# Altium PCB adafruit flora mainboard 2 -  4拼版.PcbDoc (part 1 of 2) (continued)
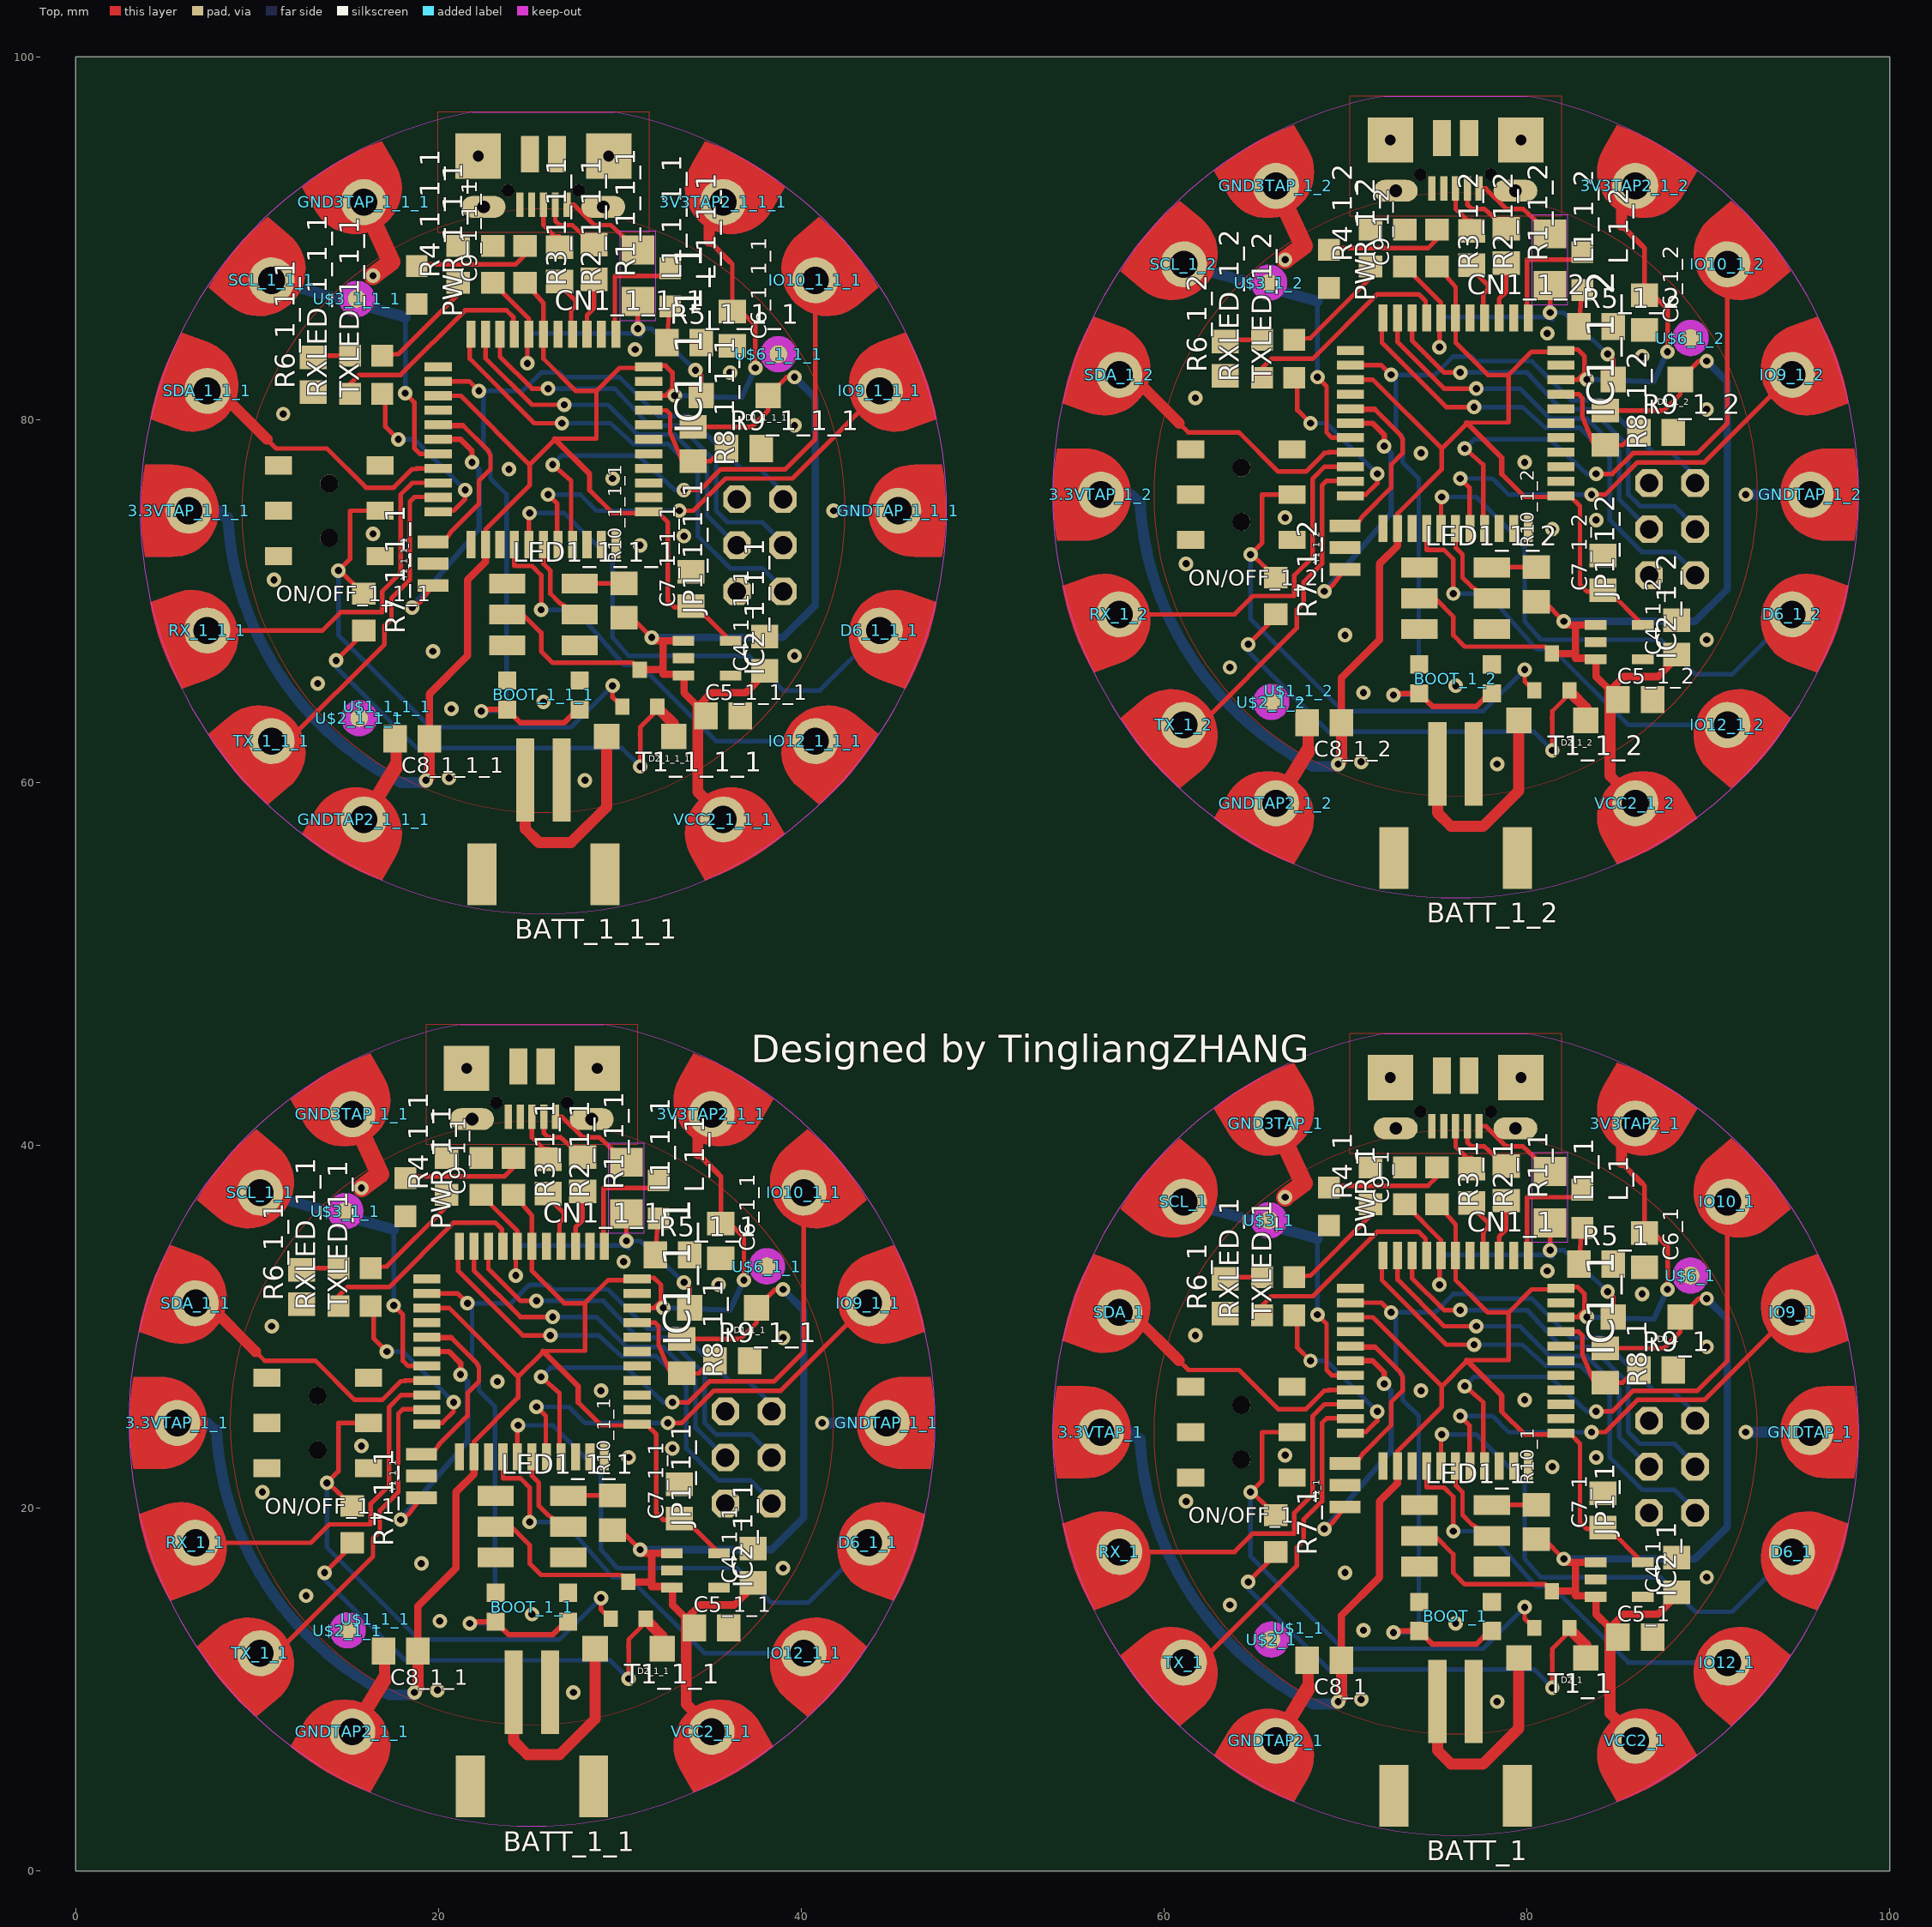
[diagram p0: Top view]
## Components (designator, comment, footprint, x,y, rotation, side; value= is the part's Value field where it differs from the comment) (continued)
L1_1_1 "500mA" R1206 30.353,37.647 r270 top (schematic designator L1)
L1_1_1_1 "500mA" R1206 30.988,87.939 r270 top (schematic designator L1)
L1_1_2 "500mA" R1206 81.28,88.828 r270 top (schematic designator L1)
L_1 "RED" CHIPLED_0805_NOOUTLINE 83.058,36.504 r180 top (schematic designator L)
L_1_1 "RED" CHIPLED_0805_NOOUTLINE 32.131,37.012 r180 top (schematic designator L)
L_1_1_1 "RED" CHIPLED_0805_NOOUTLINE 32.766,87.304 r180 top (schematic designator L)
L_1_2 "RED" CHIPLED_0805_NOOUTLINE 83.058,88.193 r180 top (schematic designator L)
LED1_1 "WS2812" WS2812 76.073,18.47 r0 top (schematic designator LED1)
LED1_1_1 "WS2812" WS2812 25.146,18.978 r0 top (schematic designator LED1)
LED1_1_1_1 "WS2812" WS2812 25.781,69.27 r0 top (schematic designator LED1)
LED1_1_2 "WS2812" WS2812 76.073,70.159 r0 top (schematic designator LED1)
ON/OFF_1 "EG1390" EG1390 64.262,24.185 r90 top (schematic designator ON/OFF)
ON/OFF_1_1 "EG1390" EG1390 13.335,24.693 r90 top (schematic designator ON/OFF)
ON/OFF_1_1_1 "EG1390" EG1390 13.97,74.985 r90 top (schematic designator ON/OFF)
ON/OFF_1_2 "EG1390" EG1390 64.262,75.874 r90 top (schematic designator ON/OFF)
PWR_1 "GREEN" CHIPLED_0805_NOOUTLINE 69.088,36.631 r180 top (schematic designator PWR)
PWR_1_1 "GREEN" CHIPLED_0805_NOOUTLINE 18.161,37.139 r180 top (schematic designator PWR)
PWR_1_1_1 "GREEN" CHIPLED_0805_NOOUTLINE 18.796,87.431 r180 top (schematic designator PWR)
PWR_1_2 "GREEN" CHIPLED_0805_NOOUTLINE 69.088,88.32 r180 top (schematic designator PWR)
R1_1 "22" 0805-NO 78.867,37.901 r270 top (schematic designator R1)
R1_1_1 "22" 0805-NO 27.94,38.409 r270 top (schematic designator R1)
R1_1_1_1 "22" 0805-NO 28.575,88.701 r270 top (schematic designator R1)
R1_1_2 "22" 0805-NO 78.867,89.59 r270 top (schematic designator R1)
R2_1 "22" 0805-NO 76.962,37.774 r270 top (schematic designator R2)
R2_1_1 "22" 0805-NO 26.035,38.282 r270 top (schematic designator R2)
R2_1_1_1 "22" 0805-NO 26.67,88.574 r270 top (schematic designator R2)
R2_1_2 "22" 0805-NO 76.962,89.463 r270 top (schematic designator R2)
R3_1 "1K" _0805MP 75.057,37.774 r270 top (schematic designator R3)
R3_1_1 "1K" _0805MP 24.13,38.282 r270 top (schematic designator R3)
R3_1_1_1 "1K" _0805MP 24.765,88.574 r270 top (schematic designator R3)
R3_1_2 "1K" _0805MP 75.057,89.463 r270 top (schematic designator R3)
R4_1 "1K" _0805MP 71.374,37.774 r90 top (schematic designator R4)
R4_1_1 "1K" _0805MP 20.447,38.282 r90 top (schematic designator R4)
R4_1_1_1 "1K" _0805MP 21.082,88.574 r90 top (schematic designator R4)
R4_1_2 "1K" _0805MP 71.374,89.463 r90 top (schematic designator R4)
R5_1 "1K" 0805-NO 83.82,33.456 r0 top (schematic designator R5)
R5_1_1 "1K" 0805-NO 32.893,33.964 r0 top (schematic designator R5)
R5_1_1_1 "1K" 0805-NO 33.528,84.256 r0 top (schematic designator R5)
R5_1_2 "1K" 0805-NO 83.82,85.145 r0 top (schematic designator R5)
R6_1 "1K" 0805-NO 63.373,31.678 r90 top (schematic designator R6)
R6_1_1 "1K" 0805-NO 12.446,32.186 r90 top (schematic designator R6)
R6_1_1_1 "1K" 0805-NO 13.081,82.478 r90 top (schematic designator R6)
R6_1_2 "1K" 0805-NO 63.373,83.367 r90 top (schematic designator R6)
R7_1 "10K" _0805MP 66.167,18.597 r270 top (schematic designator R7)
R7_1_1 "10K" _0805MP 15.24,19.105 r270 top (schematic designator R7)
R7_1_1_1 "10K" _0805MP 15.875,69.397 r270 top (schematic designator R7)
R7_1_2 "10K" _0805MP 66.167,70.286 r270 top (schematic designator R7)
R8_1 "150K" 0805-NO 84.328,27.868 r270 top (schematic designator R8)
R8_1_1 "150K" 0805-NO 33.401,28.376 r270 top (schematic designator R8)
R8_1_1_1 "150K" 0805-NO 34.036,78.668 r270 top (schematic designator R8)
R8_1_2 "150K" 0805-NO 84.328,79.557 r270 top (schematic designator R8)
R9_1 "10K" 0805-NO 87.122,27.614 r0 top (schematic designator R9)
R9_1_1 "10K" 0805-NO 36.195,28.122 r0 top (schematic designator R9)
R9_1_1_1 "10K" 0805-NO 36.83,78.414 r0 top (schematic designator R9)
R9_1_2 "10K" 0805-NO 87.122,79.303 r0 top (schematic designator R9)
R10_1 "2.2K" 0805-NO 80.518,19.232 r90 top (schematic designator R10)
R10_1_1 "2.2K" 0805-NO 29.591,19.74 r90 top (schematic designator R10)
R10_1_1_1 "2.2K" 0805-NO 30.226,70.032 r90 top (schematic designator R10)
R10_1_2 "2.2K" 0805-NO 80.518,70.921 r90 top (schematic designator R10)
RX_1 "" SEWINGTAP_2.0 57.531,17.581 r110 top (schematic designator RX)
RX_1_1 "" SEWINGTAP_2.0 6.604,18.089 r110 top (schematic designator RX)
RX_1_1_1 "" SEWINGTAP_2.0 7.239,68.381 r110 top (schematic designator RX)
RX_1_2 "" SEWINGTAP_2.0 57.531,69.27 r110 top (schematic designator RX)
RXLED_1 "YELLOW" CHIPLED_0805_NOOUTLINE 65.405,31.678 r0 top (schematic designator RXLED)
RXLED_1_1 "YELLOW" CHIPLED_0805_NOOUTLINE 14.478,32.186 r0 top (schematic designator RXLED)
RXLED_1_1_1 "YELLOW" CHIPLED_0805_NOOUTLINE 15.113,82.478 r0 top (schematic designator RXLED)
RXLED_1_2 "YELLOW" CHIPLED_0805_NOOUTLINE 65.405,83.367 r0 top (schematic designator RXLED)
SCL_1 "" SEWINGTAP_2.0 61.087,36.885 r50 top (schematic designator SCL)
SCL_1_1 "" SEWINGTAP_2.0 10.16,37.393 r50 top (schematic designator SCL)
SCL_1_1_1 "" SEWINGTAP_2.0 10.795,87.685 r50 top (schematic designator SCL)
SCL_1_2 "" SEWINGTAP_2.0 61.087,88.574 r50 top (schematic designator SCL)
SDA_1 "" SEWINGTAP_2.0 57.531,30.789 r70 top (schematic designator SDA)
SDA_1_1 "" SEWINGTAP_2.0 6.604,31.297 r70 top (schematic designator SDA)
SDA_1_1_1 "" SEWINGTAP_2.0 7.239,81.589 r70 top (schematic designator SDA)
SDA_1_2 "" SEWINGTAP_2.0 57.531,82.478 r70 top (schematic designator SDA)
T1_1 "DMG3415" SOT-23 81.407,14.406 r180 top (schematic designator T1)
T1_1_1 "DMG3415" SOT-23 30.48,14.914 r180 top (schematic designator T1)
T1_1_1_1 "DMG3415" SOT-23 31.115,65.206 r180 top (schematic designator T1)
T1_1_2 "DMG3415" SOT-23 81.407,66.095 r180 top (schematic designator T1)
TX_1 "" SEWINGTAP_2.0 61.087,11.485 r130 top (schematic designator TX)
TX_1_1 "" SEWINGTAP_2.0 10.16,11.993 r130 top (schematic designator TX)
TX_1_1_1 "" SEWINGTAP_2.0 10.795,62.285 r130 top (schematic designator TX)
TX_1_2 "" SEWINGTAP_2.0 61.087,63.174 r130 top (schematic designator TX)
TXLED_1 "YELLOW" CHIPLED_0805_NOOUTLINE 67.183,31.678 r0 top (schematic designator TXLED)
TXLED_1_1 "YELLOW" CHIPLED_0805_NOOUTLINE 16.256,32.186 r0 top (schematic designator TXLED)
TXLED_1_1_1 "YELLOW" CHIPLED_0805_NOOUTLINE 16.891,82.478 r0 top (schematic designator TXLED)
TXLED_1_2 "YELLOW" CHIPLED_0805_NOOUTLINE 67.183,83.367 r0 top (schematic designator TXLED)
U$1_1 "" ADAFRUIT_5MM 67.437,13.39 r0 top (schematic designator U$1)
U$1_1_1 "" ADAFRUIT_5MM 16.51,13.898 r0 top (schematic designator U$1)
U$1_1_1_1 "" ADAFRUIT_5MM 17.145,64.19 r0 top (schematic designator U$1)
U$1_1_2 "" ADAFRUIT_5MM 67.437,65.079 r0 top (schematic designator U$1)
U$2_1 "" FIDUCIAL_1MM 65.913,12.755 r0 top (schematic designator U$2)
U$2_1_1 "" FIDUCIAL_1MM 14.986,13.263 r0 top (schematic designator U$2)
U$2_1_1_1 "" FIDUCIAL_1MM 15.621,63.555 r0 top (schematic designator U$2)
U$2_1_2 "" FIDUCIAL_1MM 65.913,64.444 r0 top (schematic designator U$2)
U$3_1 "" FIDUCIAL_1MM 65.786,35.869 r0 top (schematic designator U$3)
U$3_1_1 "" FIDUCIAL_1MM 14.859,36.377 r0 top (schematic designator U$3)
U$3_1_1_1 "" FIDUCIAL_1MM 15.494,86.669 r0 top (schematic designator U$3)
U$3_1_2 "" FIDUCIAL_1MM 65.786,87.558 r0 top (schematic designator U$3)
U$4_1 "" FLORAMED 87.757,26.09 r180 bottom (schematic designator U$4)
U$4_1_1 "" FLORAMED 36.83,26.598 r180 bottom (schematic designator U$4)
U$4_1_1_1 "" FLORAMED 37.465,76.89 r180 bottom (schematic designator U$4)
U$4_1_2 "" FLORAMED 87.757,77.779 r180 bottom (schematic designator U$4)
U$5_1 "" PCBFEAT-REV-040 75.438,10.85 r180 bottom (schematic designator U$5)
U$5_1_1 "" PCBFEAT-REV-040 24.511,11.358 r180 bottom (schematic designator U$5)
U$5_1_1_1 "" PCBFEAT-REV-040 25.146,61.65 r180 bottom (schematic designator U$5)
U$5_1_2 "" PCBFEAT-REV-040 75.438,62.539 r180 bottom (schematic designator U$5)
U$6_1 "" FIDUCIAL_1MM 89.027,32.821 r0 top (schematic designator U$6)
U$6_1_1 "" FIDUCIAL_1MM 38.1,33.329 r0 top (schematic designator U$6)
U$6_1_1_1 "" FIDUCIAL_1MM 38.735,83.621 r0 top (schematic designator U$6)
U$6_1_2 "" FIDUCIAL_1MM 89.027,84.51 r0 top (schematic designator U$6)
U$7_1 "" SYMBOL_FCC_5MM 82.55,4.246 r180 bottom (schematic designator U$7)
U$7_1_1 "" SYMBOL_FCC_5MM 31.623,4.754 r180 bottom (schematic designator U$7)
U$7_1_1_1 "" SYMBOL_FCC_5MM 32.258,55.046 r180 bottom (schematic designator U$7)
U$7_1_2 "" SYMBOL_FCC_5MM 82.55,55.935 r180 bottom (schematic designator U$7)
U$8_1 "" SYMBOL_CE_5MM 74.422,4.373 r180 bottom (schematic designator U$8)
U$8_1_1 "" SYMBOL_CE_5MM 23.495,4.881 r180 bottom (schematic designator U$8)
U$8_1_1_1 "" SYMBOL_CE_5MM 24.13,55.173 r180 bottom (schematic designator U$8)
U$8_1_2 "" SYMBOL_CE_5MM 74.422,56.062 r180 bottom (schematic designator U$8)
VCC2_1 "" SEWINGTAP_2.0 85.979,7.167 r210 top (schematic designator VCC2)
VCC2_1_1 "" SEWINGTAP_2.0 35.052,7.675 r210 top (schematic designator VCC2)
VCC2_1_1_1 "" SEWINGTAP_2.0 35.687,57.967 r210 top (schematic designator VCC2)
VCC2_1_2 "" SEWINGTAP_2.0 85.979,58.856 r210 top (schematic designator VCC2)
Y1_1 "8MHz" RESONATOR-SMD 69.977,21.264 r90 top (schematic designator Y1)
Y1_1_1 "8MHz" RESONATOR-SMD 19.05,21.772 r90 top (schematic designator Y1)
Y1_1_1_1 "8MHz" RESONATOR-SMD 19.685,72.064 r90 top (schematic designator Y1)
Y1_1_2 "8MHz" RESONATOR-SMD 69.977,72.953 r90 top (schematic designator Y1)

## Footprints (in the part's own frame and the unit in brackets; to place one, negate y for a bottom-side part, rotate by r counter-clockwise, add the part's x,y. Pads: shape width x height; smd on the part's side, far side on the other; paste and mask are expansions set on the pad)
2X03 [mil] "2X03"
  oct 60x60 hole 40: 1(-100,-50) 2(-100,50) 3(0,-50) 4(0,50) 5(100,-50) 6(100,50)
  body extent -130,-80 130,80, height 150
4UCONN_20329 [mm] "4UCONN_20329"
  rect 1x2 smd: BASE@1(-0.75,-2) BASE@2(0.75,-2)
  rect 0.4x1.35 smd mask+0: D+(0,0.775) D-(-0.65,0.775) GND(1.3,0.775) ID(0.65,0.775) VBUS(-1.3,0.775)
  round 0.7 hole 0.7 unplated: MH1(-1.95,0) MH2(1.95,0)
  oval 2.416x1.208 / inner round 1.524 / far side oval 2.416x1.208 hole 0.7: SPRT@1(-3.3,0.9) SPRT@2(3.3,0.9)
  rect 2.5x2.5 / inner rect 1.524x1.524 / far side rect 2.5x2.5 hole 0.6: SPRT@3(-3.6,-1.9) SPRT@4(3.6,-1.9)
  body extent -5.05,-4.97 5.05,1.67, height 3.81
0805-NO [mm] "0805-NO"
  rect 1.3x1.5 smd: 1(-0.95,0) 2(0.95,0)
  body extent -1.6,-0.75 1.6,0.75, height 3.81
_0805MP [mil] "_0805MP"
  rect 47.24x51.18 smd: 1(-40,0) 2(40,0)
  body extent -64,-26 64,26, height 150
ADAFRUIT_5MM [mm] "ADAFRUIT_5MM"
CHIPLED_0805_NOOUTLINE [mm] "CHIPLED_0805_NOOUTLINE"
  rect 1.2x1.2 smd: A(0,-1.05) C(0,1.05)
  body extent -0.63,-1.65 0.63,1.65, height 3.81
EG1390 [mm] "EG1390"
  round 1 hole 1 unplated: MH1(1.5,0) MH2(-1.5,0)
  rect 1x1.5 smd: O1(-2.5,2.8) O2(-2.5,-2.8) P1(0,2.8) P2(0,-2.8) S1(2.5,2.8) S2(2.5,-2.8)
  body extent -3,-3.55 3,3.55, height 1.27
FIDUCIAL_1MM [mm] "FIDUCIAL_1MM"
  rrect100% 1x1 smd paste+0: 1(0,0)
  Top keep-out lines w0.5: -0.75,0 cw(c0,0) 0,0.75 ; -0.75,0 ccw(c0,0) 0,-0.75 ; -0.75,0 cw(c0,0) 0,0.75 ; -0.75,0 ccw(c0,0) 0,-0.75 ; 0,-0.75 ccw(c0,0) 0.75,0 ; 0,-0.75 ccw(c0,0) 0.75,0 ; 0,0.75 cw(c0,0) 0.75,0 ; 0,0.75 cw(c0,0) 0.75,0
  body extent -1.01,-1.01 1.01,1.01, height 3.81
FLORAMED [mm] "FLORAMED"
JST-PH-2-SMT-RA [mm] "JST-PH-2-SMT-RA"
  rect 1x4.6 smd: 1(1,-3.7) 2(-1,-3.7)
  rect 1.6x3.4 smd: NC1(-3.4,1.5) NC2(3.4,1.5)
  body extent -4.2,-6 4.2,3.2, height 3.81
KMR2 [mm] "KMR2"
  rect 1x1 smd: 1(2,0.8) 2(2,-0.8) 3(-2,0.8) 4(-2,-0.8)
  body extent -2.5,-1.3 2.5,1.3, height 1.27
PCBFEAT-REV-040 [mm] "PCBFEAT-REV-040"
R1206 [mm] "R1206"
  rect 1.6x1.803 smd: 1(-1.422,0) 2(1.422,0)
  Top keep-out lines w0.051: 2.473,-0.983 2.473,0.983 -2.473,0.983 -2.473,-0.983 2.473,-0.983
  body extent -2.5,-1.01 2.5,1.01, height 3.81
RESONATOR-SMD [mm] "RESONATOR-SMD"
  rect 0.7x1.7 smd: 1(-1.2,0) 2(0,0) 3(1.2,0)
  body extent -1.67,-0.85 1.67,0.85, height 3.81
SEWINGTAP_2.0 [mm] "SEWINGTAP_2.0"
  round 2.54 / inner round 1.524 / far side round 2.54 hole 1.5: P$1(0,0)
  Top region: 2.54,2.413 0,2.635 -2.54,2.413 -2.54,2.413 -2.54,0.889 -2.347,-0.083 -1.796,-0.907 -0.972,-1.458 0,-1.651 0,-1.651 0.972,-1.458 1.796,-0.907 2.347,-0.083 2.54,0.889 2.54,0.889 2.54,2.413
  Bottom region: 2.54,2.413 0,2.635 -2.54,2.413 -2.54,2.413 -2.54,0.889 -2.347,-0.083 -1.796,-0.907 -0.972,-1.458 0,-1.651 0,-1.651 0.972,-1.458 1.796,-0.907 2.347,-0.083 2.54,0.889 2.54,0.889 2.54,2.413
  body extent -2.54,-1.65 2.54,2.64, height 3.81
SOD-123 [mm] "SOD-123"
  rect 1.4x1.4 smd: A(1.85,0) C(-1.85,0)
  body extent -2.55,-0.81 2.55,0.81, height 3.81
SOT23-5L [mm] "SOT23-5L"
  rect 0.55x1.2 smd: 1(-0.95,-1.3) 2(0,-1.3) 3(0.95,-1.3) 4(0.95,1.3) 5(-0.95,1.3)
  body extent -1.5,-1.9 1.5,1.9, height 3.81
SOT-23 [mil] "SOT-23"
  rect 31x35 smd: 1(1,-40) 2(-37,40) 3(39,40)
  body extent -53,-58 54,58, height 150
SYMBOL_CE_5MM [mm] "SYMBOL_CE_5MM"
SYMBOL_FCC_5MM [mm] "SYMBOL_FCC_5MM"
TQFP44 [mm] "TQFP44"
  rect 1.5x0.5 smd: 1(-5.8,4) 2(-5.8,3.2) 3(-5.8,2.4) 4(-5.8,1.6) 5(-5.8,0.8) 6(-5.8,0) 7(-5.8,-0.8) 8(-5.8,-1.6) 9(-5.8,-2.4) 10(-5.8,-3.2) 11(-5.8,-4) 23(5.8,-4) 24(5.8,-3.2) 25(5.8,-2.4) 26(5.8,-1.6) 27(5.8,-0.8) 28(5.8,0) 29(5.8,0.8) 30(5.8,1.6) 31(5.8,2.4) 32(5.8,3.2) 33(5.8,4)
  rect 0.5x1.5 smd: 12(-4,-5.8) 13(-3.2,-5.8) 14(-2.4,-5.8) 15(-1.6,-5.8) 16(-0.8,-5.8) 17(0,-5.8) 18(0.8,-5.8) 19(1.6,-5.8) 20(2.4,-5.8) 21(3.2,-5.8) 22(4,-5.8) 34(4,5.8) 35(3.2,5.8) 36(2.4,5.8) 37(1.6,5.8) 38(0.8,5.8) 39(0,5.8) 40(-0.8,5.8) 41(-1.6,5.8) 42(-2.4,5.8) 43(-3.2,5.8) 44(-4,5.8)
  body extent -6.55,-6.55 6.55,6.55, height 3.81
WS2812 [mm] "WS2812"
  rect 2x1.1 smd: DI(2,0) DO(2,-1.7) LEDVDD(-2,0) NC(-2,1.7) VDD(2,1.7) VSS(-2,-1.7)
  body extent -3,-2.25 3,2.25, height 1.27

## Part data
3.3VTAP_1 3.3VTAP_1_1 3.3VTAP_1_1_1 3.3VTAP_1_2 3V3TAP2_1 3V3TAP2_1_1 3V3TAP2_1_1_1 3V3TAP2_1_2 D6_1 D6_1_1 D6_1_1_1 D6_1_2 GND3TAP_1 GND3TAP_1_1 GND3TAP_1_1_1 GND3TAP_1_2 GNDTAP2_1 GNDTAP2_1_1 GNDTAP2_1_1_1 GNDTAP2_1_2 GNDTAP_1 GNDTAP_1_1 GNDTAP_1_1_1 GNDTAP_1_2 IO9_1 IO9_1_1 IO9_1_1_1 IO9_1_2 IO10_1 IO10_1_1 IO10_1_1_1 IO10_1_2 IO12_1 IO12_1_1 IO12_1_1_1 IO12_1_2 RX_1 RX_1_1 RX_1_1_1 RX_1_2 SCL_1 SCL_1_1 SCL_1_1_1 SCL_1_2 SDA_1 SDA_1_1 SDA_1_1_1 SDA_1_2 TX_1 TX_1_1 TX_1_1_1 TX_1_2 VCC2_1 VCC2_1_1 VCC2_1_1_1 VCC2_1_2: library part SEWINGTAP_2.0, PackageName=SEWINGTAP_2.0
BATT_1 BATT_1_1 BATT_1_1_1 BATT_1_2: library part JST-PH-2-SMT-RA, PackageName=JST-PH-2-SMT-RA
BOOT_1 BOOT_1_1 BOOT_1_1_1 BOOT_1_2: library part KMR2, PackageName=KMR2
C4_1 C4_1_1 C4_1_1_1 C4_1_2 C5_1 C5_1_1 C5_1_1_1 C5_1_2 C6_1 C6_1_1 C6_1_1_1 C6_1_2 C7_1 C7_1_1 C7_1_1_1 C7_1_2 C8_1 C8_1_1 C8_1_1_1 C8_1_2 R1_1 R1_1_1 R1_1_1_1 R1_1_2 R2_1 R2_1_1 R2_1_1_1 R2_1_2 R5_1 R5_1_1 R5_1_1_1 R5_1_2 R6_1 R6_1_1 R6_1_1_1 R6_1_2 R8_1 R8_1_1 R8_1_1_1 R8_1_2 R9_1 R9_1_1 R9_1_1_1 R9_1_2 R10_1 R10_1_1 R10_1_1_1 R10_1_2: library part 0805-NO, PackageName=0805-NO
C9_1 C9_1_1 C9_1_1_1 C9_1_2 R3_1 R3_1_1 R3_1_1_1 R3_1_2 R4_1 R4_1_1 R4_1_1_1 R4_1_2 R7_1 R7_1_1 R7_1_1_1 R7_1_2: library part _0805MP, PackageName=_0805MP
CN1_1 CN1_1_1 CN1_1_1_1 CN1_1_2: library part 4UCONN_20329, PackageName=4UCONN_20329
D1_1 D1_1_1 D1_1_1_1 D1_1_2 D2_1 D2_1_1 D2_1_1_1 D2_1_2: library part SOD-123, PackageName=SOD-123
IC1_1 IC1_1_1 IC1_1_1_1 IC1_1_2: library part TQFP44, PackageName=TQFP44
IC2_1 IC2_1_1 IC2_1_1_1 IC2_1_2: library part SOT23-5L, PackageName=SOT23-5L
JP1_1 JP1_1_1 JP1_1_1_1 JP1_1_2: library part 2X03, PackageName=2X03
L1_1 L1_1_1 L1_1_1_1 L1_1_2: library part R1206, PackageName=R1206
L_1 L_1_1 L_1_1_1 L_1_2 PWR_1 PWR_1_1 PWR_1_1_1 PWR_1_2 RXLED_1 RXLED_1_1 RXLED_1_1_1 RXLED_1_2 TXLED_1 TXLED_1_1 TXLED_1_1_1 TXLED_1_2: library part CHIPLED_0805_NOOUTLINE, PackageName=CHIPLED_0805_NOOUTLINE
T1_1 T1_1_1 T1_1_1_1 T1_1_2: library part SOT-23, PackageName=SOT-23
U$1_1 U$1_1_1 U$1_1_1_1 U$1_1_2: library part ADAFRUIT_5MM, PackageName=ADAFRUIT_5MM
U$2_1 U$2_1_1 U$2_1_1_1 U$2_1_2 U$3_1 U$3_1_1 U$3_1_1_1 U$3_1_2 U$6_1 U$6_1_1 U$6_1_1_1 U$6_1_2: library part FIDUCIAL_1MM, PackageName=FIDUCIAL_1MM
U$4_1 U$4_1_1 U$4_1_1_1 U$4_1_2: library part FLORAMED, PackageName=FLORAMED
U$5_1 U$5_1_1 U$5_1_1_1 U$5_1_2: library part PCBFEAT-REV-040, PackageName=PCBFEAT-REV-040
U$7_1 U$7_1_1 U$7_1_1_1 U$7_1_2: library part SYMBOL_FCC_5MM, PackageName=SYMBOL_FCC_5MM
U$8_1 U$8_1_1 U$8_1_1_1 U$8_1_2: library part SYMBOL_CE_5MM, PackageName=SYMBOL_CE_5MM
Y1_1 Y1_1_1 Y1_1_1_1 Y1_1_2: library part RESONATOR-SMD, PackageName=RESONATOR-SMD
LED1_1 LED1_1_1 LED1_1_1_1 LED1_1_2: PackageName=WS2812
ON/OFF_1 ON/OFF_1_1 ON/OFF_1_1_1 ON/OFF_1_2: PackageName=EG1390

## Via types
v1: diameter 0.8/0.8/0.8/0.8/0.8/0.8/0.8/0.8/0.8/0.8/0.8/0.8/0.8/0.8/0.8/0.8 (per signal layer), hole 0.394, Top to Bottom, tented both sides, 188 vias

## Nets (pads, with @x,y where several pads share a name; then routed paths per layer and width w, separated by ;. In a path a pad name is that pad's centre, name@x,y a point inside that pad or via, vN(x,y) a via of type N, cw(c..) or ccw(c..) an arc to the next point about the centre after c; other vN are vias at no path point)
+3V3: 
+5V: 
A5: 
D0/RX: 
D1/TX: 
D6*: 
D7: 
GND: 
IO9*: 
IO10*: 
IO12*: 
MISO: 
MOSI: 
N$1: 
N$2: 
N$3: 
N$4: 
N$5: 
N$6: 
N$7: 
N$8: 
N$9: 
N$10: 
N$11: 
N$12: 
N$13: 
N$14: 
N$15: 
NEOPIX: 
PC6: 
PC7: 
PD0: 
PD1: 
RST: 
RXLED/SS: 
SCK: 
TXLED: 
VBUS: 
VCC: 
pads on no net: 3.3VTAP_1.P$1 3.3VTAP_1_1.P$1 3.3VTAP_1_1_1.P$1 3.3VTAP_1_2.P$1 3V3TAP2_1.P$1 3V3TAP2_1_1.P$1 3V3TAP2_1_1_1.P$1 3V3TAP2_1_2.P$1 BATT_1.1 BATT_1.2 BATT_1.NC1 BATT_1.NC2 BATT_1_1.1 BATT_1_1.2 BATT_1_1.NC1 BATT_1_1.NC2 BATT_1_1_1.1 BATT_1_1_1.2 BATT_1_1_1.NC1 BATT_1_1_1.NC2 BATT_1_2.1 BATT_1_2.2 BATT_1_2.NC1 BATT_1_2.NC2 BOOT_1.1 BOOT_1.2 BOOT_1.3 BOOT_1.4 BOOT_1_1.1 BOOT_1_1.2 BOOT_1_1.3 BOOT_1_1.4 BOOT_1_1_1.1 BOOT_1_1_1.2 BOOT_1_1_1.3 BOOT_1_1_1.4 BOOT_1_2.1 BOOT_1_2.2 BOOT_1_2.3 BOOT_1_2.4 C4_1.1 C4_1.2 C4_1_1.1 C4_1_1.2 C4_1_1_1.1 C4_1_1_1.2 C4_1_2.1 C4_1_2.2 C5_1.1 C5_1.2 C5_1_1.1 C5_1_1.2 C5_1_1_1.1 C5_1_1_1.2 C5_1_2.1 C5_1_2.2 C6_1.1 C6_1.2 C6_1_1.1 C6_1_1.2 C6_1_1_1.1 C6_1_1_1.2 C6_1_2.1 C6_1_2.2 C7_1.1 C7_1.2 C7_1_1.1 C7_1_1.2 C7_1_1_1.1 C7_1_1_1.2 C7_1_2.1 C7_1_2.2 C8_1.1 C8_1.2 C8_1_1.1 C8_1_1.2 C8_1_1_1.1 C8_1_1_1.2 C8_1_2.1 C8_1_2.2 C9_1.1 C9_1.2 C9_1_1.1 C9_1_1.2 C9_1_1_1.1 C9_1_1_1.2 C9_1_2.1 C9_1_2.2 CN1_1.BASE@1 CN1_1.BASE@2 CN1_1.D+ CN1_1.D- CN1_1.GND CN1_1.ID CN1_1.MH1 CN1_1.MH2 CN1_1.SPRT@1 CN1_1.SPRT@2 CN1_1.SPRT@3 CN1_1.SPRT@4 CN1_1.VBUS CN1_1_1.BASE@1 CN1_1_1.BASE@2 CN1_1_1.D+ CN1_1_1.D- CN1_1_1.GND CN1_1_1.ID CN1_1_1.MH1 CN1_1_1.MH2 CN1_1_1.SPRT@1 CN1_1_1.SPRT@2 CN1_1_1.SPRT@3 CN1_1_1.SPRT@4 CN1_1_1.VBUS CN1_1_1_1.BASE@1 CN1_1_1_1.BASE@2 CN1_1_1_1.D+ CN1_1_1_1.D- CN1_1_1_1.GND CN1_1_1_1.ID CN1_1_1_1.MH1 CN1_1_1_1.MH2 CN1_1_1_1.SPRT@1 CN1_1_1_1.SPRT@2 CN1_1_1_1.SPRT@3 CN1_1_1_1.SPRT@4 CN1_1_1_1.VBUS CN1_1_2.BASE@1 CN1_1_2.BASE@2 CN1_1_2.D+ CN1_1_2.D- CN1_1_2.GND CN1_1_2.ID CN1_1_2.MH1 CN1_1_2.MH2 CN1_1_2.SPRT@1 CN1_1_2.SPRT@2 CN1_1_2.SPRT@3 CN1_1_2.SPRT@4 CN1_1_2.VBUS D1_1.A D1_1.C D1_1_1.A D1_1_1.C D1_1_1_1.A D1_1_1_1.C D1_1_2.A D1_1_2.C D2_1.A D2_1.C D2_1_1.A D2_1_1.C D2_1_1_1.A D2_1_1_1.C D2_1_2.A D2_1_2.C D6_1.P$1 D6_1_1.P$1 D6_1_1_1.P$1 D6_1_2.P$1 GND3TAP_1.P$1 GND3TAP_1_1.P$1 GND3TAP_1_1_1.P$1 GND3TAP_1_2.P$1 GNDTAP2_1.P$1 GNDTAP2_1_1.P$1 GNDTAP2_1_1_1.P$1 GNDTAP2_1_2.P$1 GNDTAP_1.P$1 GNDTAP_1_1.P$1 GNDTAP_1_1_1.P$1 GNDTAP_1_2.P$1 IC1_1.1 IC1_1.2 IC1_1.3 IC1_1.4 IC1_1.5 IC1_1.6 IC1_1.7 IC1_1.8 IC1_1.9 IC1_1.10 IC1_1.11 IC1_1.12 IC1_1.13 IC1_1.14 IC1_1.15 IC1_1.16 IC1_1.17 IC1_1.18 IC1_1.19 IC1_1.20 IC1_1.21 IC1_1.22 IC1_1.23 IC1_1.24 IC1_1.25 IC1_1.26 IC1_1.27 IC1_1.28 IC1_1.29 IC1_1.30 IC1_1.31 IC1_1.32 IC1_1.33 IC1_1.34 IC1_1.35 IC1_1.36 IC1_1.37 IC1_1.38 IC1_1.39 IC1_1.40 IC1_1.41 IC1_1.42 IC1_1.43 IC1_1.44 IC1_1_1.1 IC1_1_1.2 IC1_1_1.3 IC1_1_1.4 IC1_1_1.5 IC1_1_1.6 IC1_1_1.7 IC1_1_1.8 IC1_1_1.9 IC1_1_1.10 IC1_1_1.11 IC1_1_1.12 IC1_1_1.13 IC1_1_1.14 IC1_1_1.15 IC1_1_1.16 IC1_1_1.17 IC1_1_1.18 IC1_1_1.19 IC1_1_1.20 IC1_1_1.21 IC1_1_1.22 IC1_1_1.23 IC1_1_1.24 IC1_1_1.25 IC1_1_1.26 IC1_1_1.27 IC1_1_1.28 IC1_1_1.29 IC1_1_1.30 IC1_1_1.31 IC1_1_1.32 IC1_1_1.33 IC1_1_1.34 IC1_1_1.35 IC1_1_1.36 IC1_1_1.37 IC1_1_1.38 IC1_1_1.39 IC1_1_1.40 IC1_1_1.41 IC1_1_1.42 IC1_1_1.43 IC1_1_1.44 IC1_1_1_1.1 IC1_1_1_1.2 IC1_1_1_1.3 IC1_1_1_1.4 IC1_1_1_1.5 IC1_1_1_1.6 IC1_1_1_1.7 IC1_1_1_1.8 IC1_1_1_1.9 IC1_1_1_1.10 IC1_1_1_1.11 IC1_1_1_1.12 IC1_1_1_1.13 IC1_1_1_1.14 IC1_1_1_1.15 IC1_1_1_1.16 IC1_1_1_1.17 IC1_1_1_1.18 IC1_1_1_1.19 IC1_1_1_1.20 IC1_1_1_1.21 IC1_1_1_1.22 IC1_1_1_1.23 IC1_1_1_1.24 IC1_1_1_1.25 IC1_1_1_1.26 IC1_1_1_1.27 IC1_1_1_1.28 IC1_1_1_1.29 IC1_1_1_1.30 IC1_1_1_1.31 IC1_1_1_1.32 IC1_1_1_1.33 IC1_1_1_1.34 IC1_1_1_1.35 IC1_1_1_1.36 IC1_1_1_1.37 IC1_1_1_1.38 IC1_1_1_1.39 IC1_1_1_1.40 IC1_1_1_1.41 IC1_1_1_1.42 IC1_1_1_1.43 IC1_1_1_1.44 IC1_1_2.1 IC1_1_2.2 IC1_1_2.3 IC1_1_2.4 IC1_1_2.5 IC1_1_2.6 IC1_1_2.7 IC1_1_2.8 IC1_1_2.9 IC1_1_2.10 IC1_1_2.11 IC1_1_2.12 IC1_1_2.13 IC1_1_2.14 IC1_1_2.15 IC1_1_2.16 IC1_1_2.17 IC1_1_2.18 IC1_1_2.19 IC1_1_2.20 IC1_1_2.21 IC1_1_2.22 IC1_1_2.23 IC1_1_2.24 IC1_1_2.25 IC1_1_2.26 IC1_1_2.27 IC1_1_2.28 IC1_1_2.29 IC1_1_2.30 IC1_1_2.31 IC1_1_2.32 IC1_1_2.33 IC1_1_2.34 IC1_1_2.35 IC1_1_2.36 IC1_1_2.37 IC1_1_2.38 IC1_1_2.39 IC1_1_2.40 IC1_1_2.41 IC1_1_2.42 IC1_1_2.43 IC1_1_2.44 IC2_1.1 IC2_1.2 IC2_1.3 IC2_1.4 IC2_1.5 IC2_1_1.1 IC2_1_1.2 IC2_1_1.3 IC2_1_1.4 IC2_1_1.5 IC2_1_1_1.1 IC2_1_1_1.2 IC2_1_1_1.3 IC2_1_1_1.4 IC2_1_1_1.5 IC2_1_2.1 IC2_1_2.2 IC2_1_2.3 IC2_1_2.4 IC2_1_2.5 IO9_1.P$1 IO9_1_1.P$1 IO9_1_1_1.P$1 IO9_1_2.P$1 IO10_1.P$1 IO10_1_1.P$1 IO10_1_1_1.P$1 IO10_1_2.P$1 IO12_1.P$1 IO12_1_1.P$1 IO12_1_1_1.P$1 IO12_1_2.P$1 JP1_1.1 JP1_1.2 JP1_1.3 JP1_1.4 JP1_1.5 JP1_1.6 JP1_1_1.1 JP1_1_1.2 JP1_1_1.3 JP1_1_1.4 JP1_1_1.5 JP1_1_1.6 JP1_1_1_1.1 JP1_1_1_1.2 JP1_1_1_1.3 JP1_1_1_1.4 JP1_1_1_1.5 JP1_1_1_1.6 JP1_1_2.1 JP1_1_2.2 JP1_1_2.3 JP1_1_2.4 JP1_1_2.5 JP1_1_2.6 L1_1.1 L1_1.2 L1_1_1.1 L1_1_1.2 L1_1_1_1.1 L1_1_1_1.2 L1_1_2.1 L1_1_2.2 L_1.A L_1.C L_1_1.A L_1_1.C L_1_1_1.A L_1_1_1.C L_1_2.A L_1_2.C LED1_1.DI LED1_1.DO LED1_1.LEDVDD LED1_1.NC LED1_1.VDD LED1_1.VSS LED1_1_1.DI LED1_1_1.DO LED1_1_1.LEDVDD LED1_1_1.NC LED1_1_1.VDD LED1_1_1.VSS LED1_1_1_1.DI LED1_1_1_1.DO LED1_1_1_1.LEDVDD LED1_1_1_1.NC LED1_1_1_1.VDD LED1_1_1_1.VSS LED1_1_2.DI LED1_1_2.DO LED1_1_2.LEDVDD LED1_1_2.NC LED1_1_2.VDD LED1_1_2.VSS ON/OFF_1.MH1 ON/OFF_1.MH2 ON/OFF_1.O1 ON/OFF_1.O2 ON/OFF_1.P1 ON/OFF_1.P2 ON/OFF_1.S1 ON/OFF_1.S2 ON/OFF_1_1.MH1 ON/OFF_1_1.MH2 ON/OFF_1_1.O1 ON/OFF_1_1.O2 ON/OFF_1_1.P1 ON/OFF_1_1.P2 ON/OFF_1_1.S1 ON/OFF_1_1.S2 ON/OFF_1_1_1.MH1 ON/OFF_1_1_1.MH2 ON/OFF_1_1_1.O1 ON/OFF_1_1_1.O2 ON/OFF_1_1_1.P1 ON/OFF_1_1_1.P2 ON/OFF_1_1_1.S1 ON/OFF_1_1_1.S2 ON/OFF_1_2.MH1 ON/OFF_1_2.MH2 ON/OFF_1_2.O1 ON/OFF_1_2.O2 ON/OFF_1_2.P1 ON/OFF_1_2.P2 ON/OFF_1_2.S1 ON/OFF_1_2.S2 PWR_1.A PWR_1.C PWR_1_1.A PWR_1_1.C PWR_1_1_1.A PWR_1_1_1.C PWR_1_2.A PWR_1_2.C R1_1.1 R1_1.2 R1_1_1.1 R1_1_1.2 R1_1_1_1.1 R1_1_1_1.2 R1_1_2.1 R1_1_2.2 R2_1.1 R2_1.2 R2_1_1.1 R2_1_1.2 R2_1_1_1.1 R2_1_1_1.2 R2_1_2.1 R2_1_2.2 R3_1.1 R3_1.2 R3_1_1.1 R3_1_1.2 R3_1_1_1.1 R3_1_1_1.2 R3_1_2.1 R3_1_2.2 R4_1.1 R4_1.2 R4_1_1.1 R4_1_1.2 R4_1_1_1.1 R4_1_1_1.2 R4_1_2.1 R4_1_2.2 R5_1.1 R5_1.2 R5_1_1.1 R5_1_1.2 R5_1_1_1.1 R5_1_1_1.2 R5_1_2.1 R5_1_2.2 R6_1.1 R6_1.2 R6_1_1.1 R6_1_1.2 R6_1_1_1.1 R6_1_1_1.2 R6_1_2.1 R6_1_2.2 R7_1.1 R7_1.2 R7_1_1.1 R7_1_1.2 R7_1_1_1.1 R7_1_1_1.2 R7_1_2.1 R7_1_2.2 R8_1.1 R8_1.2 R8_1_1.1 R8_1_1.2 R8_1_1_1.1 R8_1_1_1.2 R8_1_2.1 R8_1_2.2 R9_1.1 R9_1.2 R9_1_1.1 R9_1_1.2 R9_1_1_1.1 R9_1_1_1.2 R9_1_2.1 R9_1_2.2 R10_1.1 R10_1.2 R10_1_1.1 R10_1_1.2 R10_1_1_1.1 R10_1_1_1.2 R10_1_2.1 R10_1_2.2 RX_1.P$1 RX_1_1.P$1 RX_1_1_1.P$1 RX_1_2.P$1 RXLED_1.A RXLED_1.C RXLED_1_1.A RXLED_1_1.C RXLED_1_1_1.A RXLED_1_1_1.C RXLED_1_2.A RXLED_1_2.C SCL_1.P$1 SCL_1_1.P$1 SCL_1_1_1.P$1 SCL_1_2.P$1 SDA_1.P$1 SDA_1_1.P$1 SDA_1_1_1.P$1 SDA_1_2.P$1 T1_1.1 T1_1.2 T1_1.3 T1_1_1.1 T1_1_1.2 T1_1_1.3 T1_1_1_1.1 T1_1_1_1.2 T1_1_1_1.3 T1_1_2.1 T1_1_2.2 T1_1_2.3 TX_1.P$1 TX_1_1.P$1 TX_1_1_1.P$1 TX_1_2.P$1 TXLED_1.A TXLED_1.C TXLED_1_1.A TXLED_1_1.C TXLED_1_1_1.A TXLED_1_1_1.C TXLED_1_2.A TXLED_1_2.C U$2_1.1 U$2_1_1.1 U$2_1_1_1.1 U$2_1_2.1 U$3_1.1 U$3_1_1.1 U$3_1_1_1.1 U$3_1_2.1 U$6_1.1 U$6_1_1.1 U$6_1_1_1.1 U$6_1_2.1 VCC2_1.P$1 VCC2_1_1.P$1 VCC2_1_1_1.P$1 VCC2_1_2.P$1 Y1_1.1 Y1_1.2 Y1_1.3 Y1_1_1.1 Y1_1_1.2 Y1_1_1.3 Y1_1_1_1.1 Y1_1_1_1.2 Y1_1_1_1.3 Y1_1_2.1 Y1_1_2.2 Y1_1_2.3